# Altium PCB AirScoutPCBV2.2.PcbDoc
Units mm, origin at the board's own origin, x right, y up, seen from the top; angles counter-clockwise.
Board outline 70 x 86 mm, 4 copper layers (TOP, GND/S1, SRC/S2, BOTTOM), stack 0.568 mm thick; 55 components, 39 nets, 219 pads, 163 vias.
Unrouted connection lines stored in the file: 176.
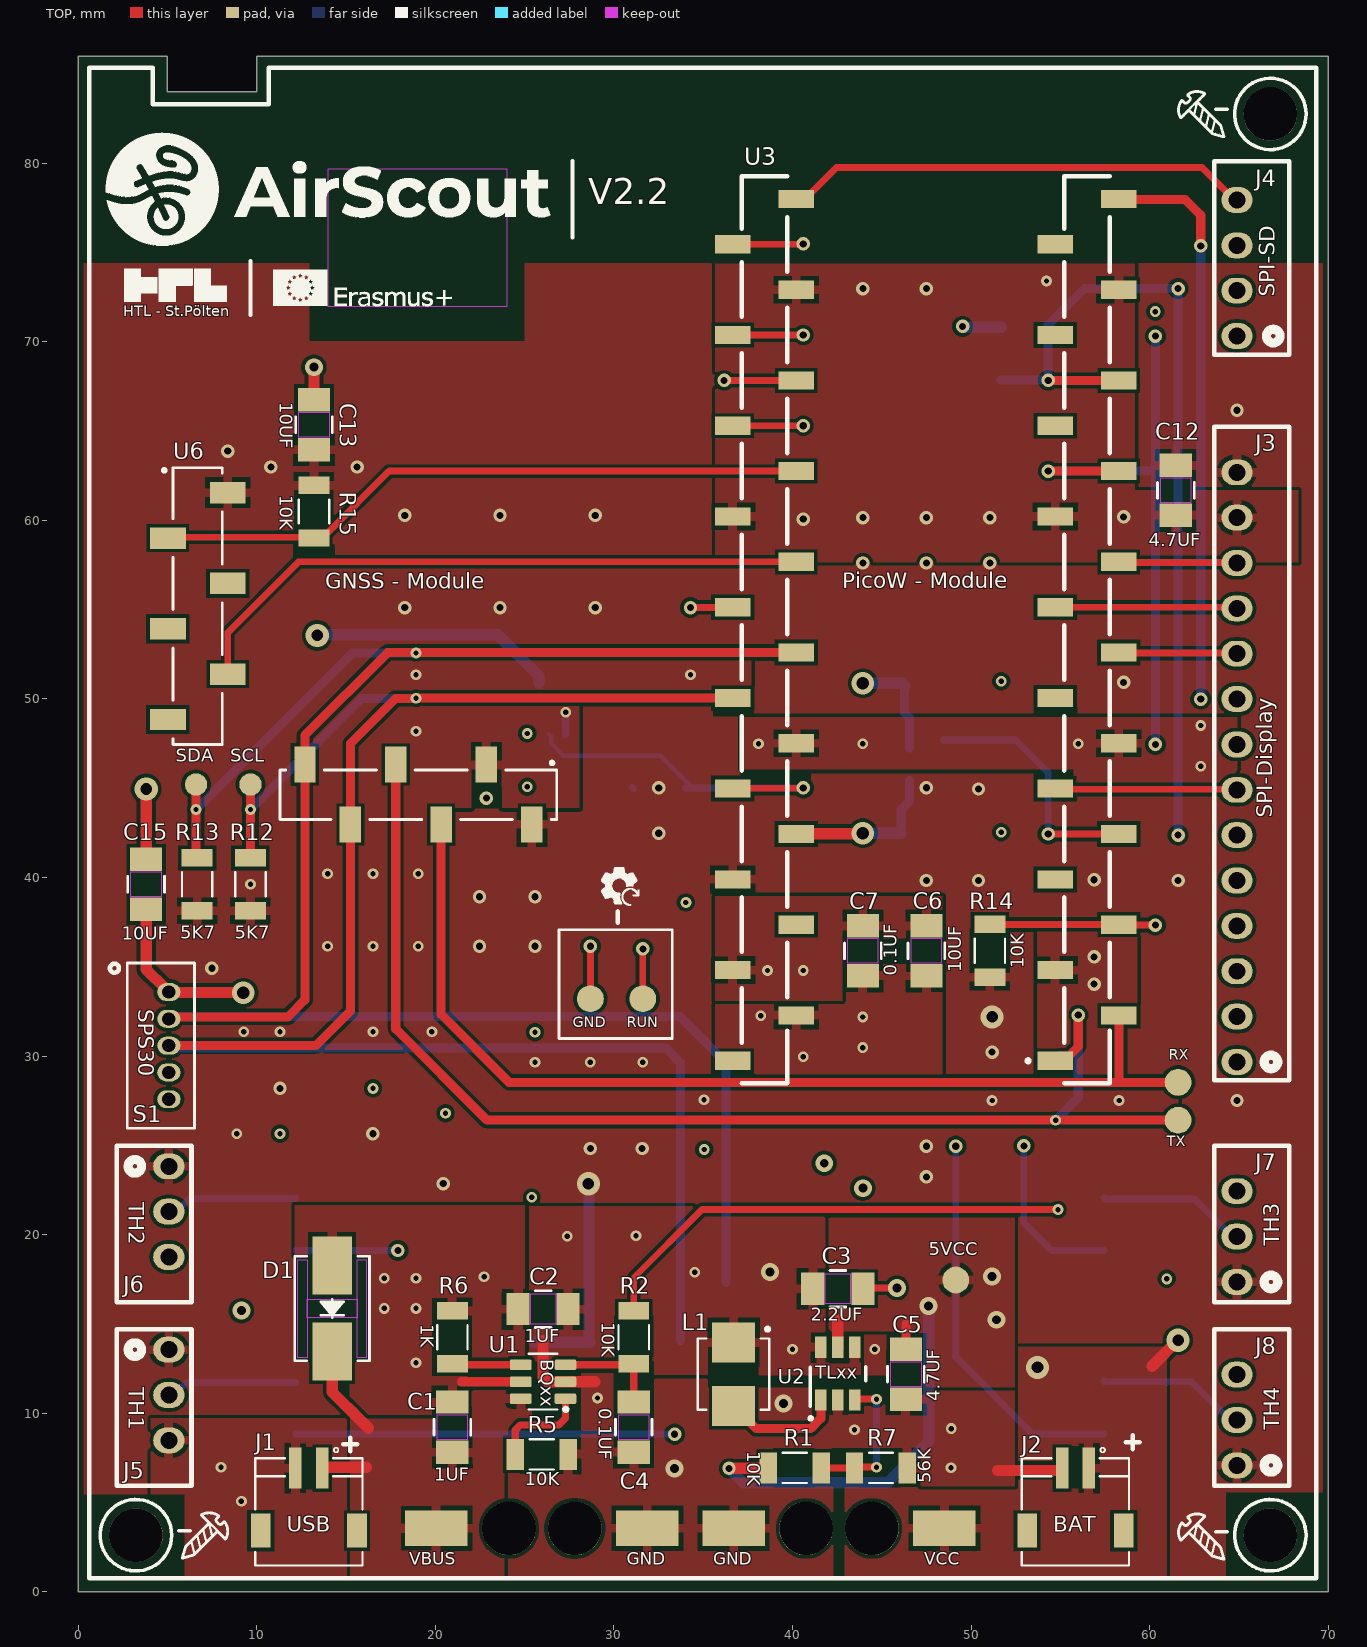
[diagram p0: TOP view]
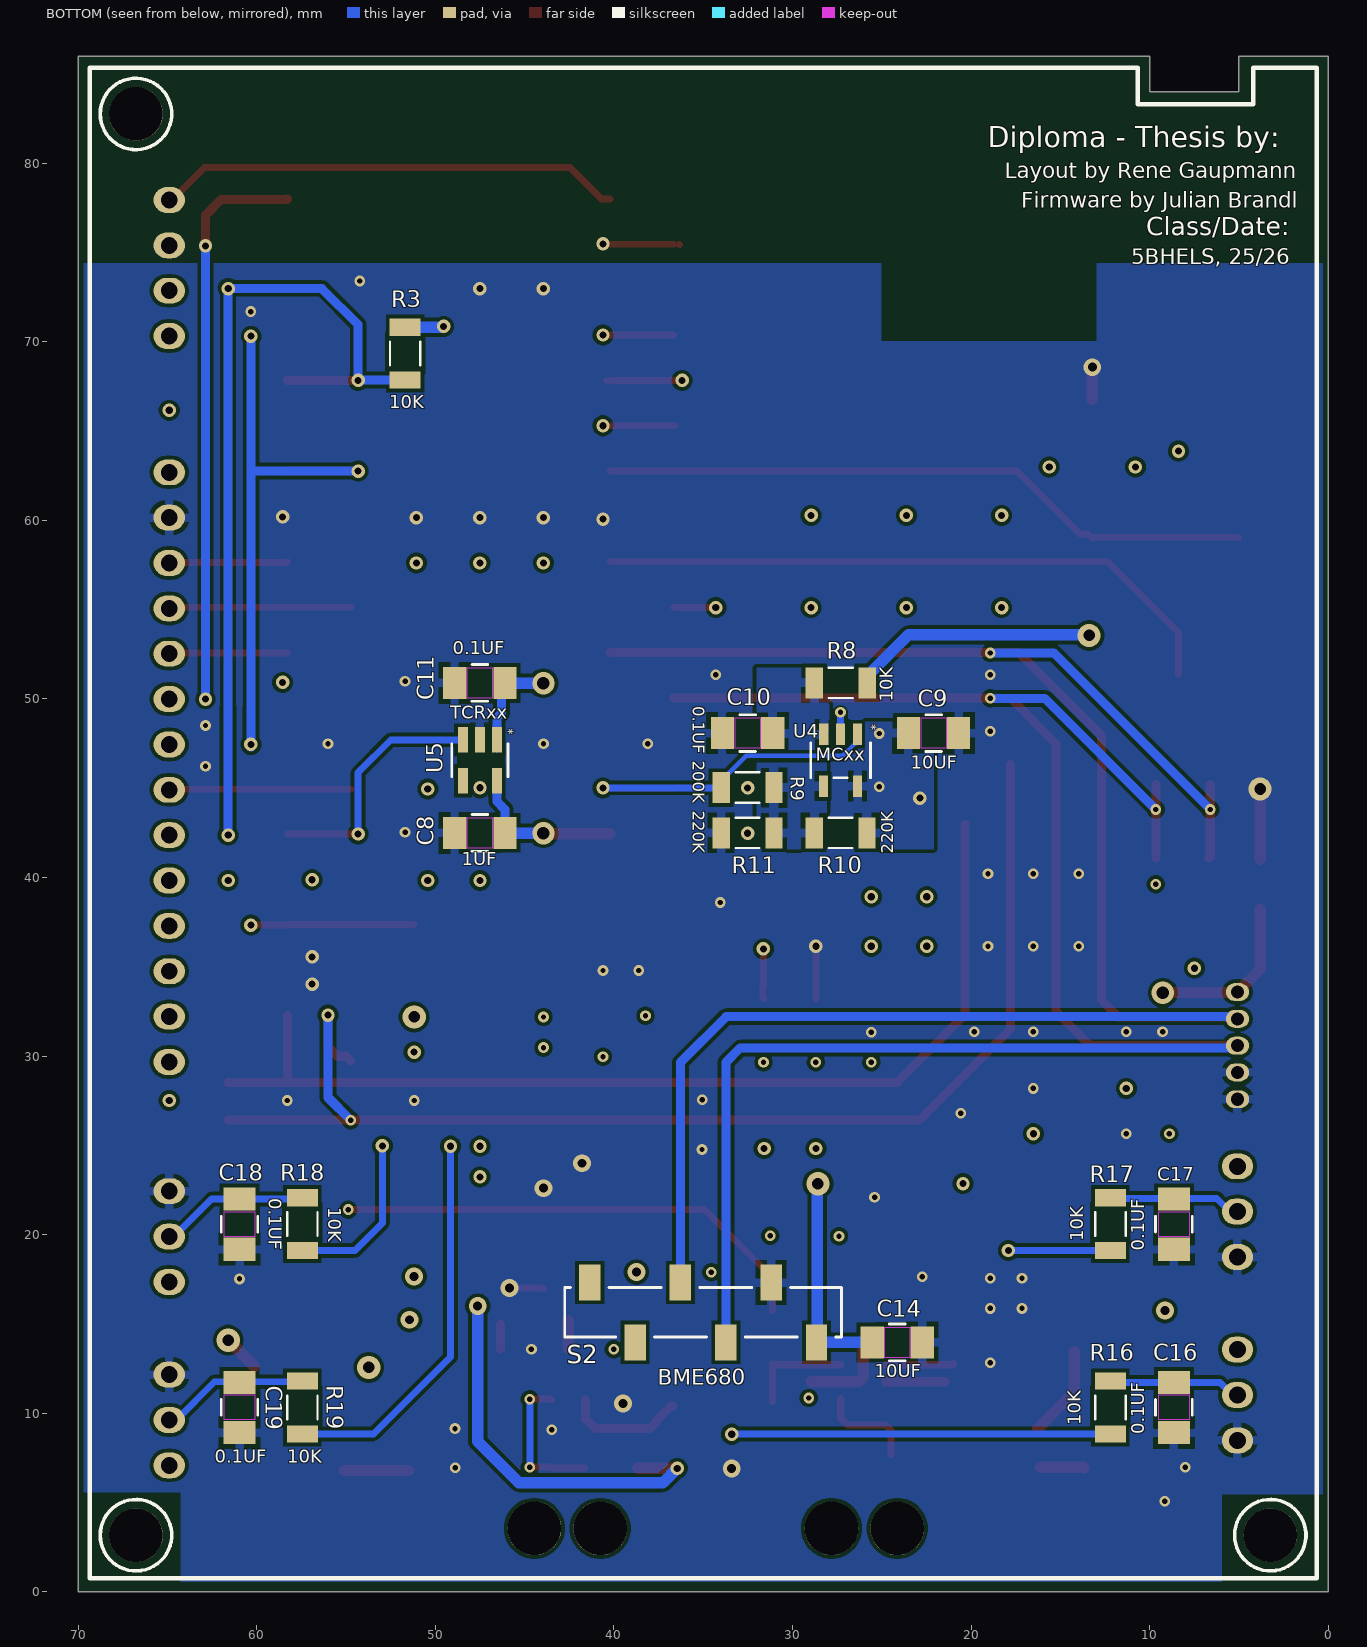
[diagram p1: BOTTOM view, seen from below]
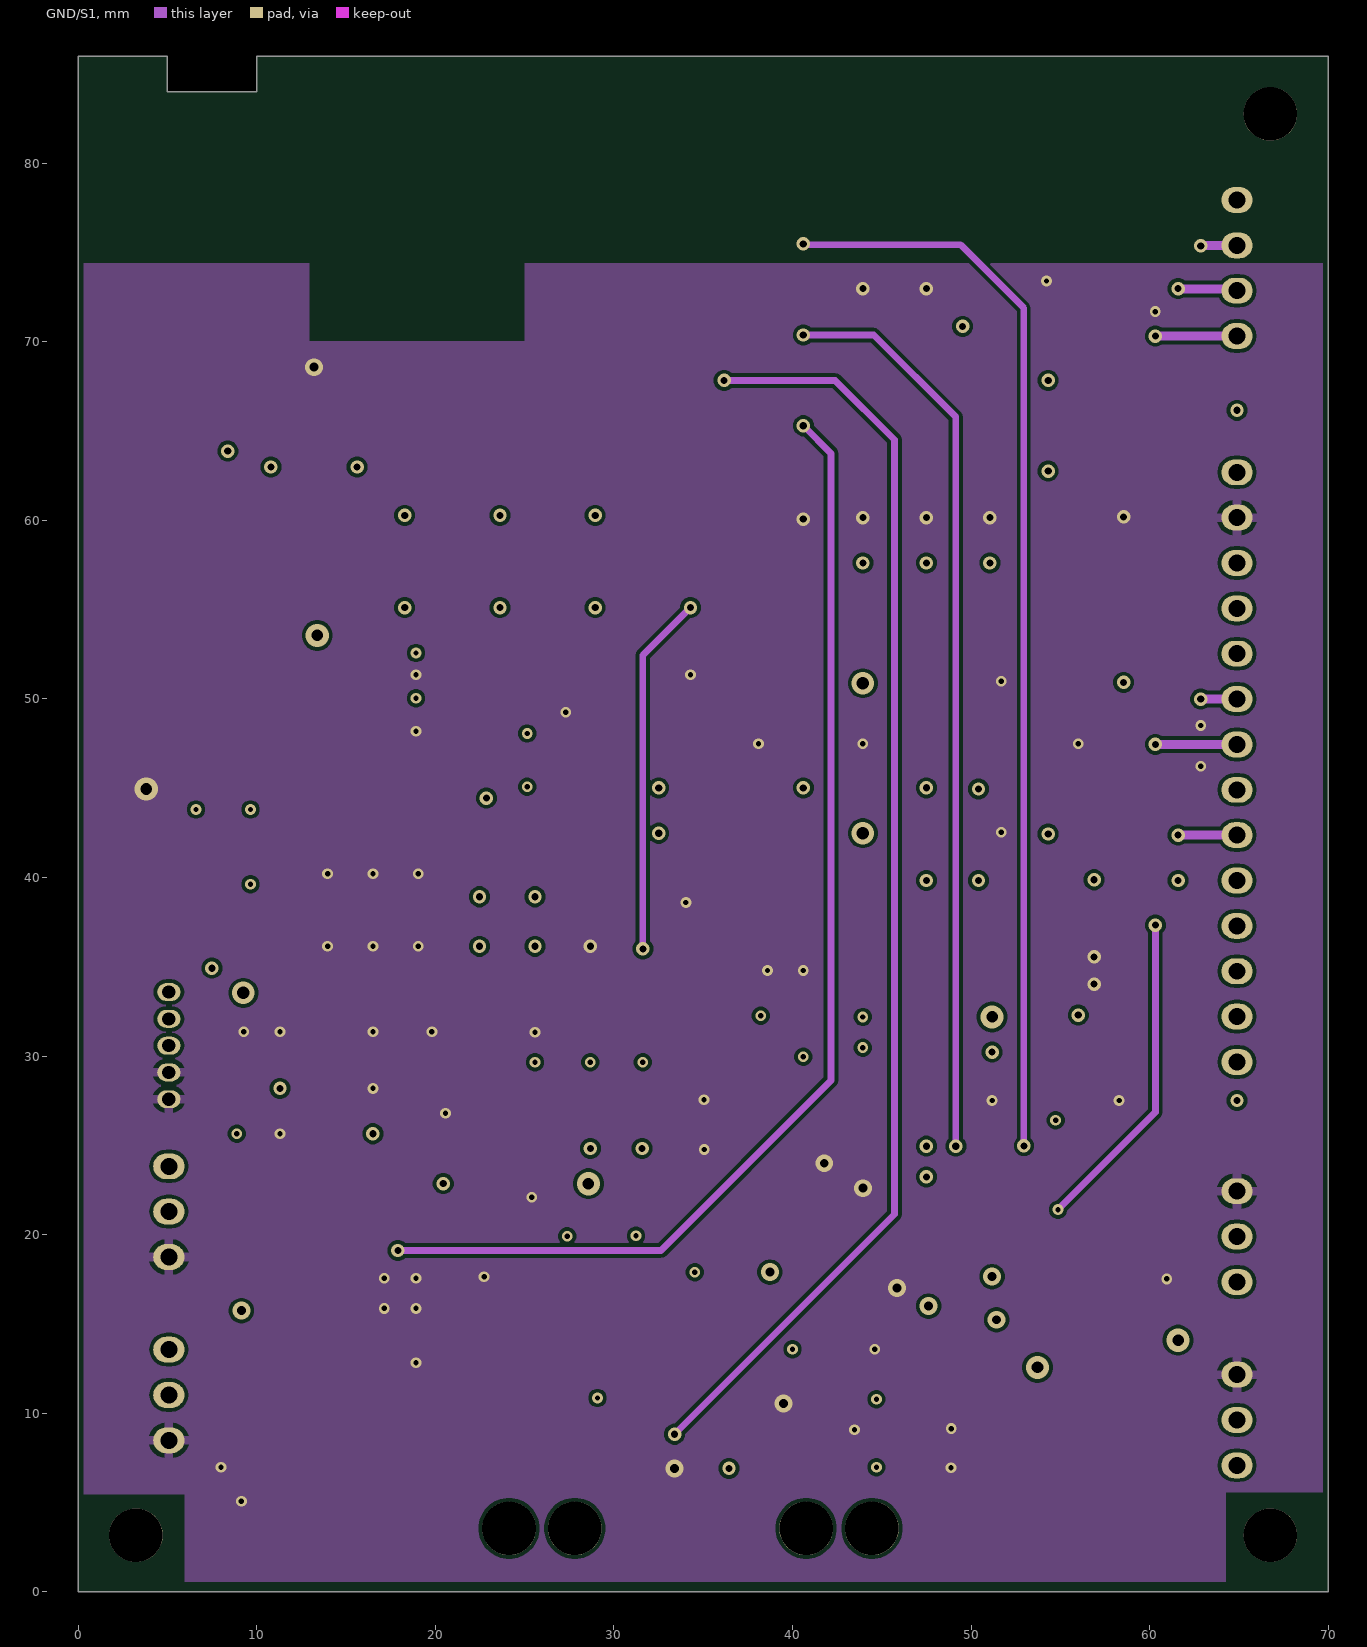
[diagram p2: GND/S1]
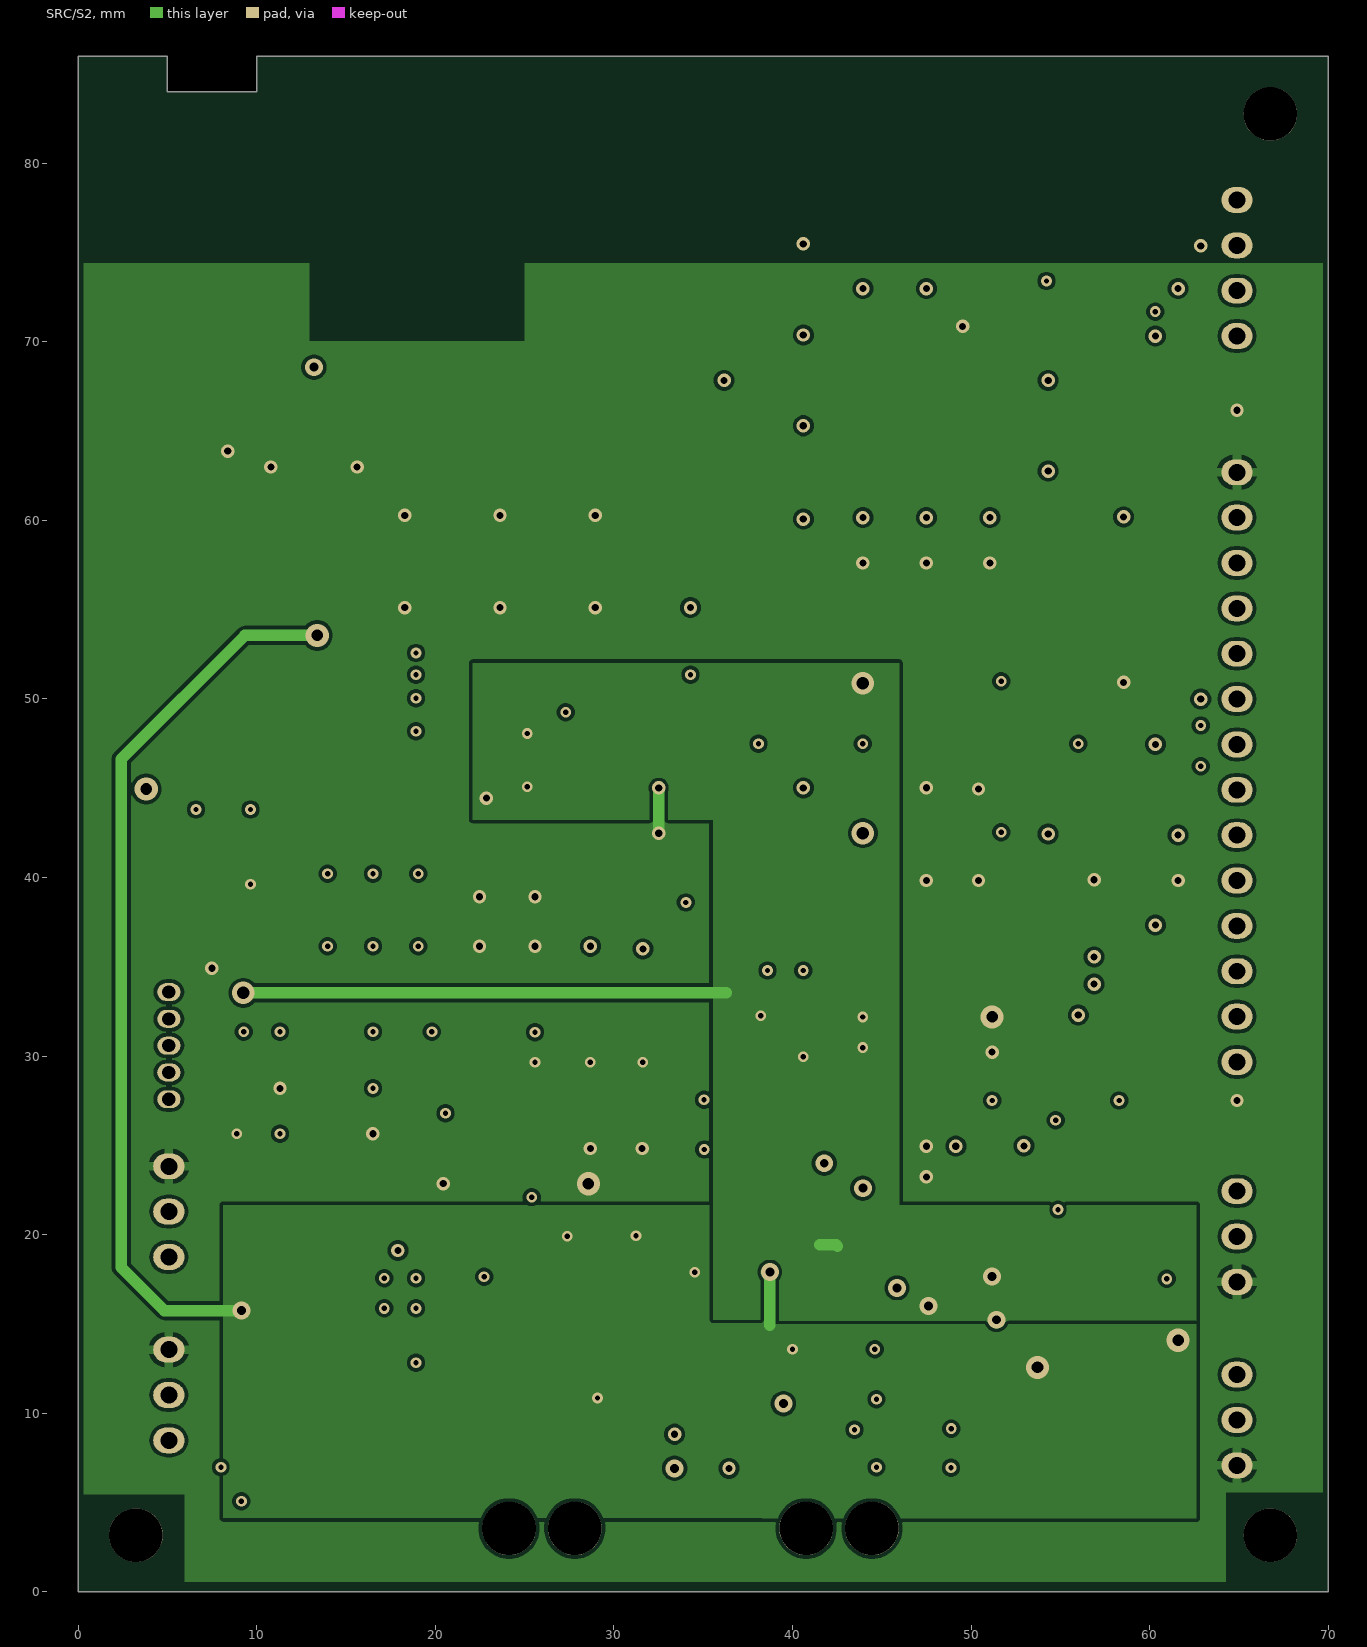
[diagram p3: SRC/S2]
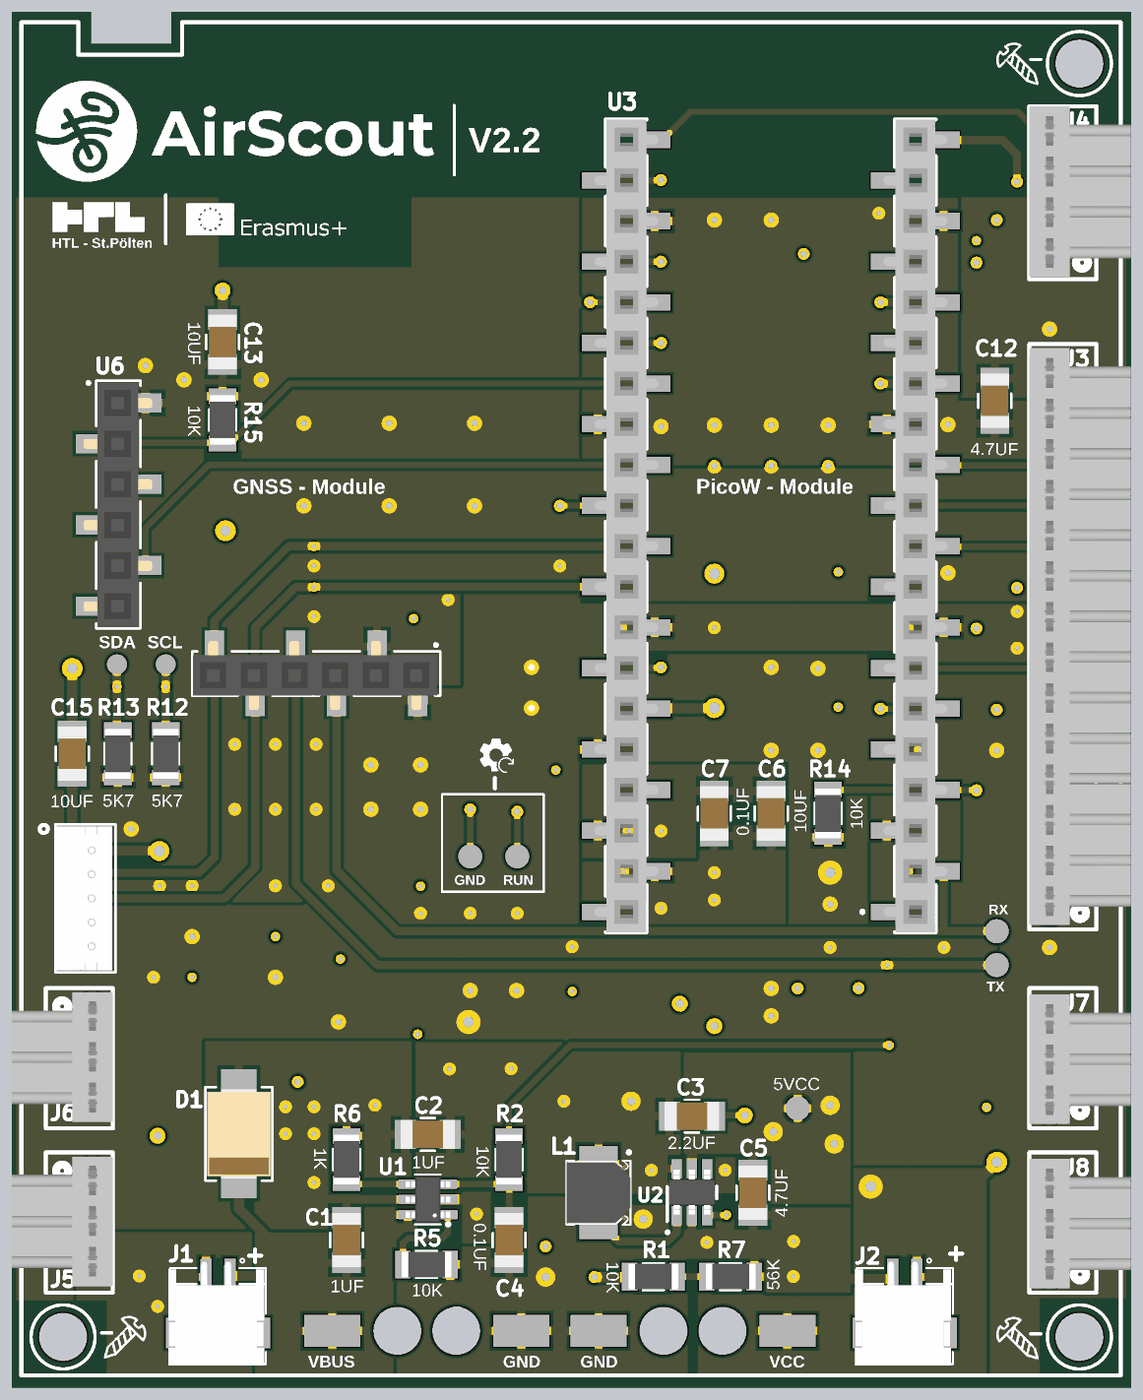
[diagram p4: 3D render of the assembled board from above, using the file's embedded part models]
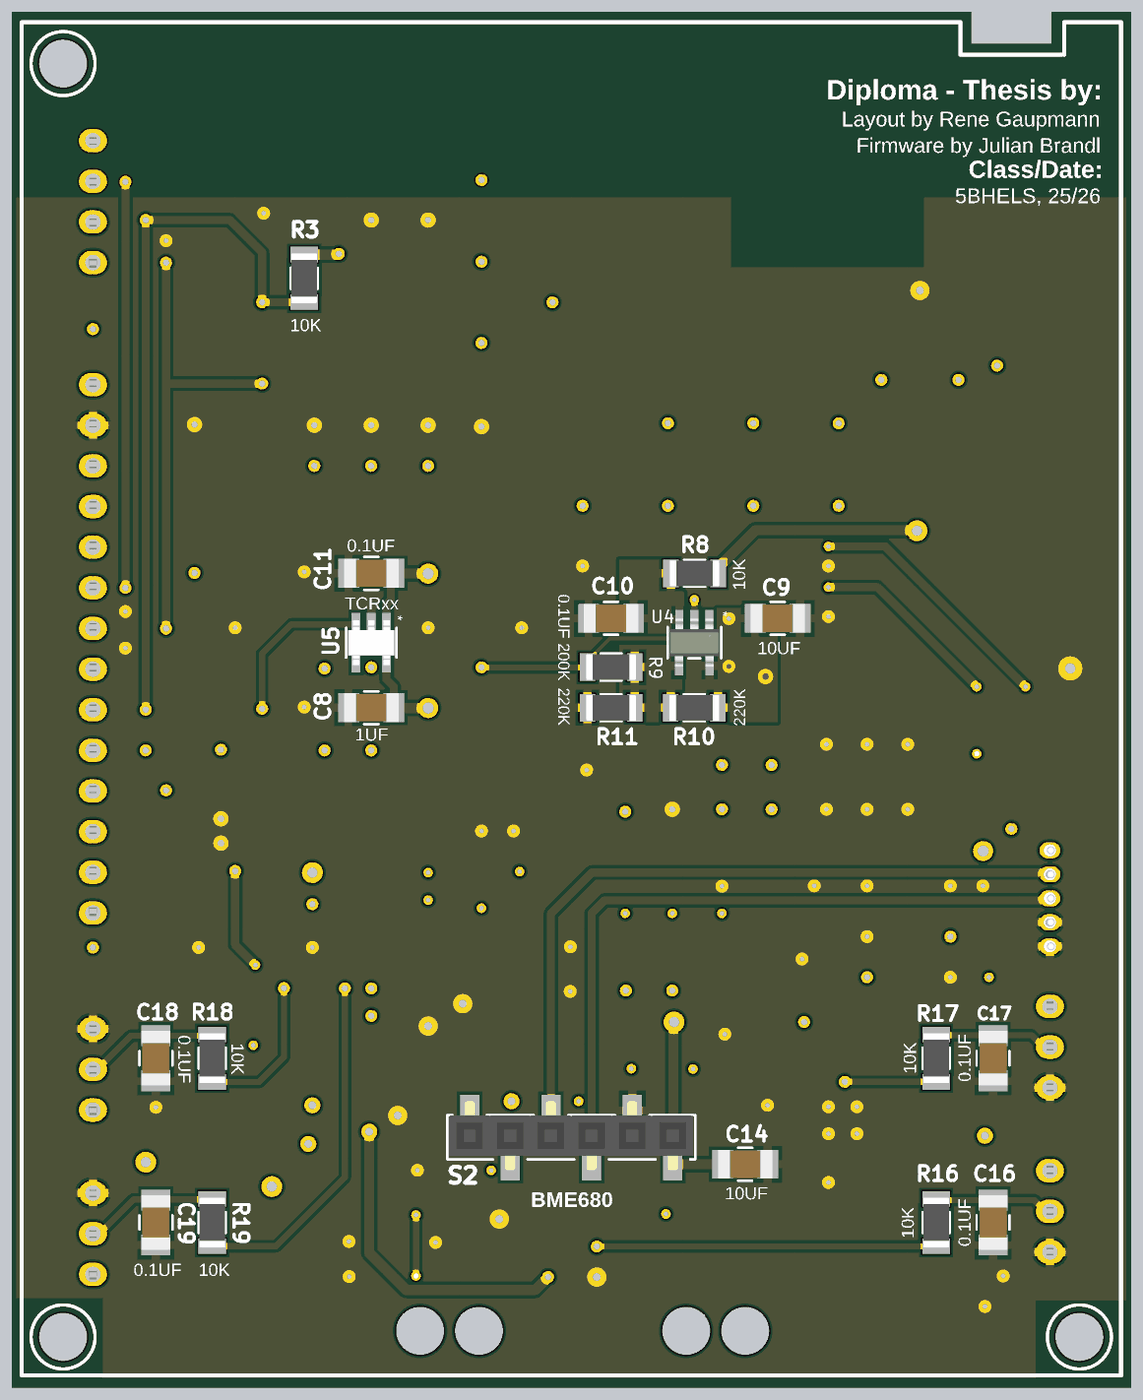
[diagram p5: 3D render of the assembled board from below, using the file's embedded part models]

## Layer stack, top to bottom
Top Solder: solder mask 0.0102, Solder Resist, Dk 3.5
TOP: signal copper 0.0356
Dielectric 2: prepreg 0.0711, PP-006, Dk 4.1
GND/S1: signal copper 0.0175
Dielectric 1: dielectric 0.32, FR-4, Dk 4.8
SRC/S2: signal copper 0.0175
Dielectric 3: prepreg 0.0711, PP-006, Dk 4.1
BOTTOM: signal copper 0.0356
Bottom Solder: solder mask 0.0102, Solder Resist, Dk 3.5

## Board outline
0,0 0,86 5,86 5,84 10,84 10,86 70,86 70,0

## Design rules (kind name [scope] priority, off if disabled: settings)
BoardOutlineClearance [All] p1: gap=0.3 ignorepadtopadclearanceinfootprint=FALSE except(0.4: Arc-SplitBarrior Arc-SplitContinuation Track-SplitBarrior Track-SplitContinuation SMDPad-SplitBarrior SMDPad-SplitContinuation THPad-SplitBarrior THPad-SplitContinuation Via-SplitBarrior Via-SplitContinuation Fill-SplitBarrior Fill-SplitContinuation Poly-SplitBarrior Poly-SplitContinuation Region-SplitBarrior Region-SplitContinuation Text-SplitBarrior Text-SplitContinuation)
Clearance "Clearance Different Nets" [All] p1: gap=0.2 ignorepadtopadclearanceinfootprint=FALSE except(0.089: Arc-Arc Arc-Track Arc-SMDPad Track-Track Track-SMDPad; 0.127: SMDPad-SMDPad SMDPad-Via THPad-Via Via-Via; 0.254: Arc-Via Arc-Text Track-Via Track-Text SMDPad-Text THPad-Text Via-Text Fill-Text Poly-Text Region-Text Text-Text; 0.5: THPad-THPad Via-Hole)
Clearance "Clearance Same Nets" [All] p2: gap=0.2 ignorepadtopadclearanceinfootprint=FALSE except(0.089: Arc-Arc Arc-Track Arc-SMDPad Track-Track Track-SMDPad SMDPad-SMDPad; 0.127: SMDPad-Via THPad-Via; 0.254: Arc-Via Arc-Text Track-Via Track-Text SMDPad-Text THPad-Text Via-Via Via-Text Fill-Text Poly-Text Region-Text Text-Text)
Clearance "Clearance Bottom Layer" [OnLayer('Bottom Layer')] p3: gap=0.203 ignorepadtopadclearanceinfootprint=TRUE except(0.254: Arc-Text Track-Text SMDPad-Text THPad-Text Via-Text Fill-Text Poly-Text Region-Text Text-Text)
Clearance "Clearance Top Layer" [OnLayer('Top Layer')] p4: gap=0.203 ignorepadtopadclearanceinfootprint=TRUE except(0.254: Arc-Text Track-Text SMDPad-Text THPad-Text Via-Text Fill-Text Poly-Text Region-Text Text-Text)
HoleSize [All] p1: absolutevalues=TRUE maxlimit=6.3 minlimit=0.2 maxpercent=80.000 minpercent=20.000
MinimumAnnularRing [All] p1: minimumring=0.13
MinimumSolderMaskSliver [All] p1: minsoldermaskwidth=0.1
PolygonConnect PolygonConnect_1 [All] p1: thpad.connectstyle=Relief thpad.reliefconductorwidth=0.508 thpad.reliefentries=4 thpad.polygonreliefangle="90 Angle" thpad.airgapwidth=0.254 smdpad.connectstyle=Relief smdpad.reliefconductorwidth=0.508 smdpad.reliefentries=4 smdpad.polygonreliefangle="90 Angle" smdpad.airgapwidth=0.254 via.connectstyle=Direct via.reliefconductorwidth=0.508 via.reliefentries=4 via.polygonreliefangle="90 Angle" via.airgapwidth=0.254
RoutingCorners [All] p1: cornerstyle=Round minsetback=2.54 maxsetback=2.54
RoutingVias [All] p1: holewidth=0.5 width=1 viastyle="Through Hole" minholewidth=0.2 minwidth=0.35 maxholewidth=1 maxwidth=2
SilkToSilkClearance [All] p1: silktosilkclearance=0.1
SilkToSolderMaskClearance [IsPad] p1: minsilkscreentomaskgap=0.1 clearancetoexposedcopper=TRUE
SolderMaskExpansion [All] p1: expansion=0.102 istentingtop=FALSE
SupplyNets "Schematic Supply Nets_32" [InNet('RUN')] p1: voltage=0.000
SupplyNets "Schematic Supply Nets_30" [InNet('I2C/SCL')] p2: voltage=0.000
SupplyNets "Schematic Supply Nets_29" [InNet('SPI/CS-DIS')] p3: voltage=0.000
SupplyNets "Schematic Supply Nets_28" [InNet('VCC')] p4: voltage=0.000
SupplyNets "Schematic Supply Nets_27" [InNet('SPI/CS-SD')] p5: voltage=0.000
SupplyNets "Schematic Supply Nets_26" [InNet('VIN-')] p6: voltage=0.000
SupplyNets "Schematic Supply Nets_25" [InNet('5VCC')] p7: voltage=0.000
SupplyNets "Schematic Supply Nets_23" [InNet('3V3')] p8: voltage=0.000
SupplyNets "Schematic Supply Nets_22" [InNet('FB')] p9: voltage=0.000
SupplyNets "Schematic Supply Nets_21" [InNet('UART/RX')] p10: voltage=0.000
SupplyNets "Schematic Supply Nets_20" [InNet('RST')] p11: voltage=0.000
SupplyNets "Schematic Supply Nets_19" [InNet('LED')] p12: voltage=0.000
SupplyNets "Schematic Supply Nets_18" [InNet('SPI/MISO')] p13: voltage=0.000
SupplyNets "Schematic Supply Nets_17" [InNet('ADC2')] p14: voltage=0.000
SupplyNets "Schematic Supply Nets_16" [InNet('GND')] p15: voltage=0.000
SupplyNets "Schematic Supply Nets_15" [InNet('UART/TX')] p16: voltage=0.000
SupplyNets "Schematic Supply Nets_14" [InNet('RESET')] p17: voltage=0.000
SupplyNets "Schematic Supply Nets_13" [InNet('I2C/SDA')] p18: voltage=0.000
SupplyNets "Schematic Supply Nets_12" [InNet('DC')] p19: voltage=0.000
SupplyNets "Schematic Supply Nets_11" [InNet('CONT')] p20: voltage=0.000
SupplyNets "Schematic Supply Nets_10" [InNet('TCH4')] p21: voltage=0.000
SupplyNets "Schematic Supply Nets_9" [InNet('3V3-REF')] p22: voltage=0.000
SupplyNets "Schematic Supply Nets_8" [InNet('TCH2')] p23: voltage=0.000
SupplyNets "Schematic Supply Nets_7" [InNet('TCH3')] p24: voltage=0.000
SupplyNets "Schematic Supply Nets_6" [InNet('TCH1')] p25: voltage=0.000
SupplyNets "Schematic Supply Nets_4" [InNet('VBUS')] p26: voltage=0.000
SupplyNets "Schematic Supply Nets_3" [InNet('SPI/SCK')] p27: voltage=0.000
SupplyNets "Schematic Supply Nets_2" [InNet('EXTIN')] p28: voltage=0.000
SupplyNets "Schematic Supply Nets_1" [InNet('SPI/MOSI')] p29: voltage=0.000
SupplyNets "Schematic Supply Nets" [InNet('CHG')] p30: voltage=0.000
Width [All] p1: maxlimit=2.54 minlimit=0.089 preferedwidth=0.381
25 further rules are at their usual default settings.
